# KiCad board JL-rev1.kicad_pcb (continued)
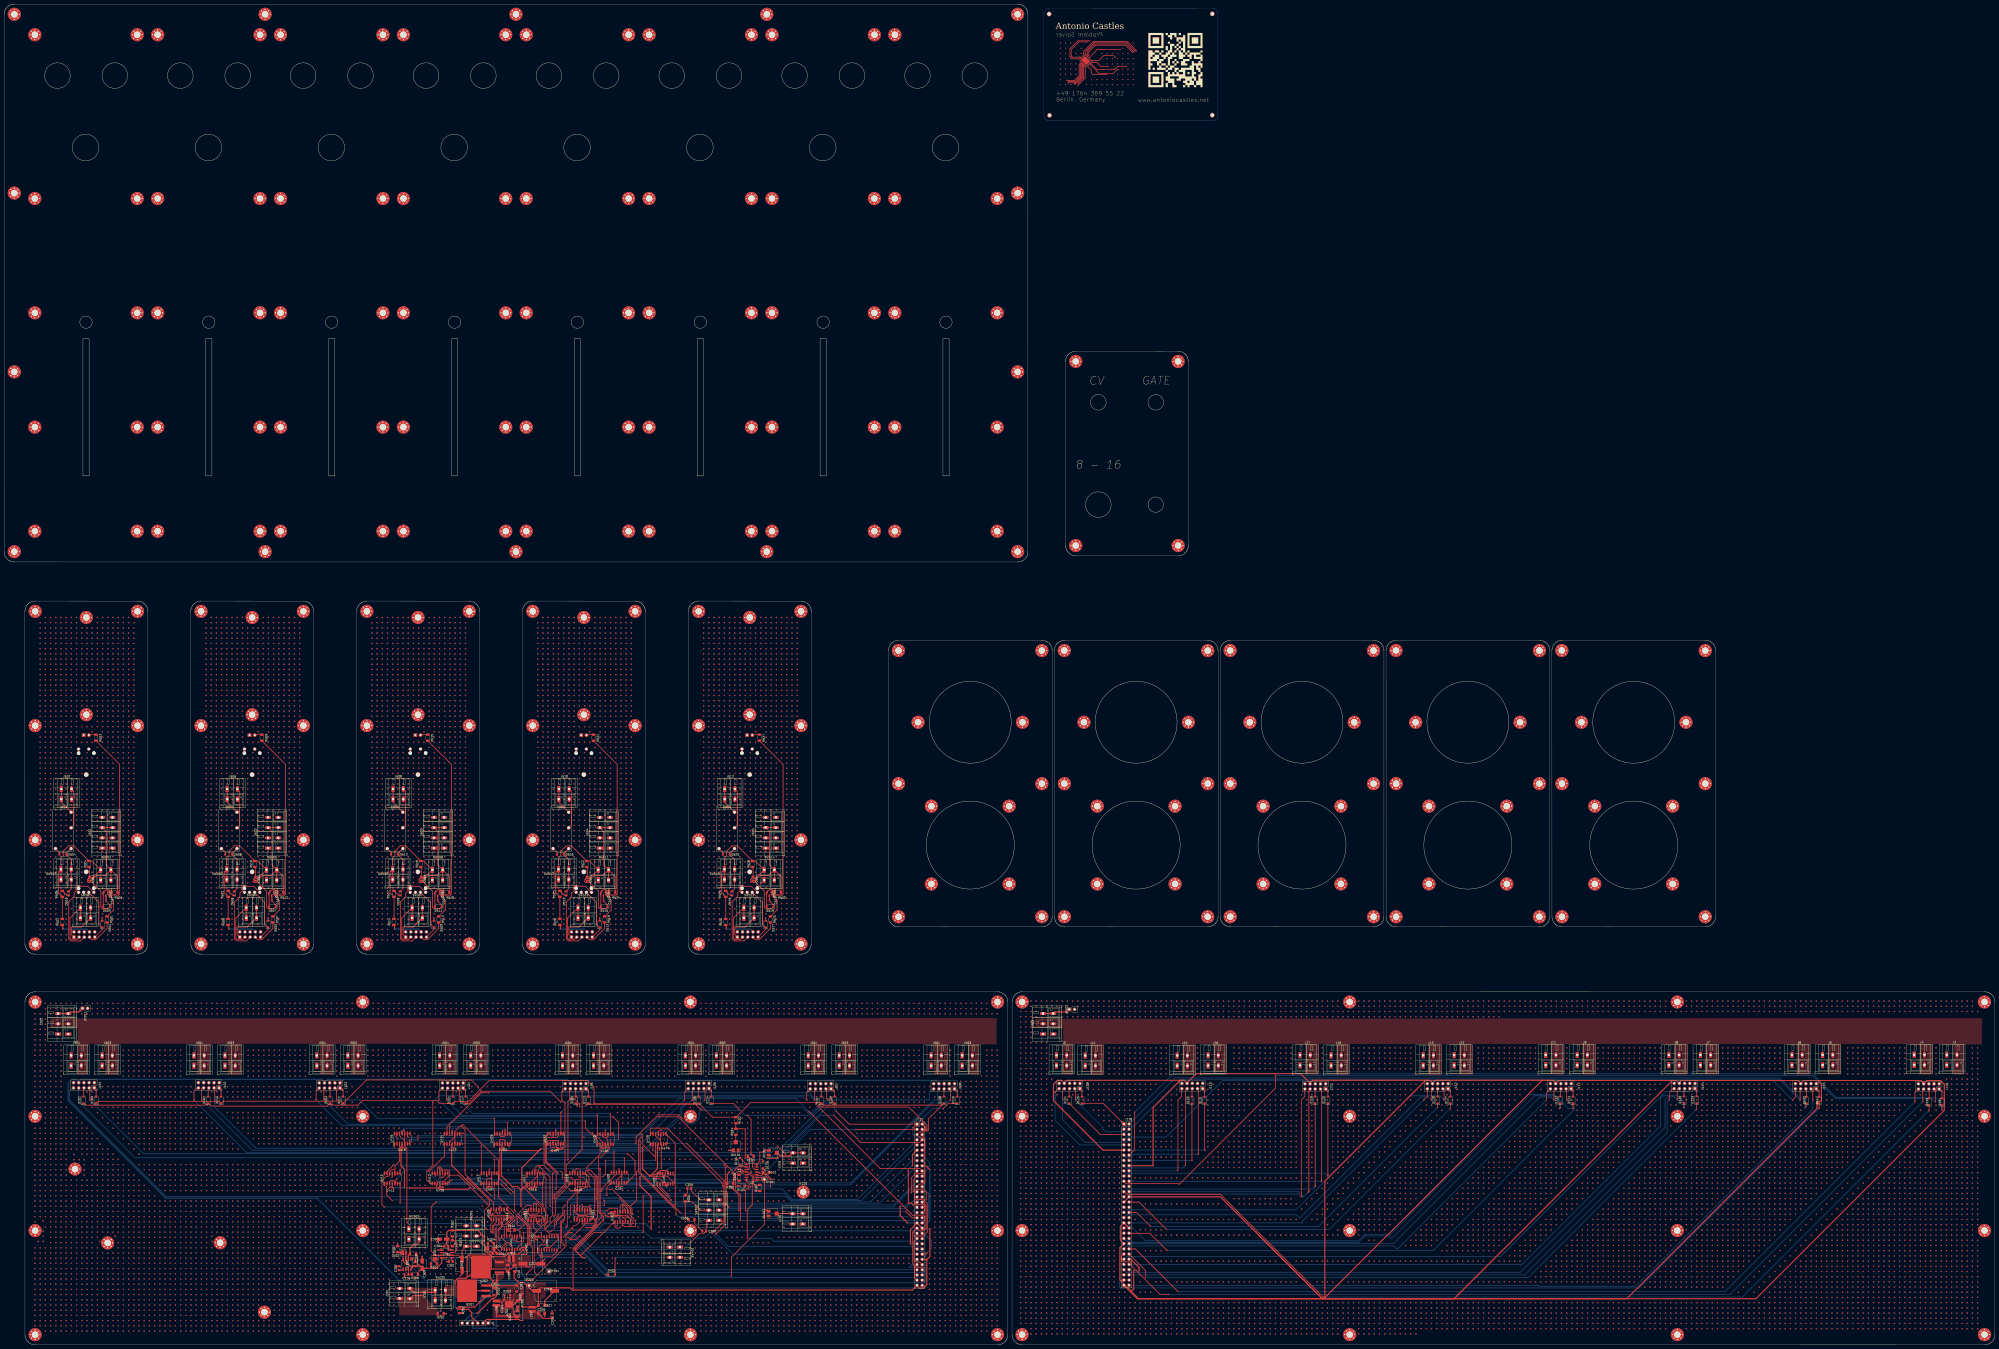
[diagram p0: board, top side]
## Routing (per net, layer and track width the routed paths; a pad name or vN(x,y) marks a point on that pad's centre or on a via; arc(x,y) is an arc through that point) (continued)
v2(251.31,9.34) v2(251.31,6.8) v2(253.85,166.82) v2(253.85,164.28) v2(253.85,161.74) v2(253.85,143.96) v2(253.85,141.42) v2(253.85,138.88) v2(253.85,136.34) v2(253.85,133.8) v2(253.85,131.26) v2(253.85,126.18) v2(253.85,118.56) v2(253.85,116.02) v2(253.85,108.4) v2(253.85,9.34) v2(253.85,6.8) v2(256.39,166.82) v2(256.39,164.28) v2(256.39,161.74) v2(256.39,143.96) v2(256.39,141.42) v2(256.39,138.88) v2(256.39,136.34) v2(256.39,133.8) v2(256.39,131.26) v2(256.39,126.18) v2(256.39,118.56) v2(256.39,116.02) v2(256.39,108.4) v2(256.39,9.34) v2(256.39,6.8) v2(258.93,166.82) v2(258.93,164.28) v2(258.93,161.74) v2(258.93,143.96) v2(258.93,141.42) v2(258.93,138.88) v2(258.93,136.34) v2(258.93,133.8) v2(258.93,131.26) v2(258.93,126.18) v2(258.93,118.56) v2(258.93,116.02) v2(258.93,108.4) v2(258.93,9.34) v2(258.93,6.8) v2(261.47,166.82) v2(261.47,164.28) v2(261.47,161.74) v2(261.47,143.96) v2(261.47,141.42) v2(261.47,138.88) v2(261.47,136.34) v2(261.47,133.8) v2(261.47,131.26) v2(261.47,126.18) v2(261.47,118.56) v2(261.47,116.02) v2(261.47,108.4) v2(261.47,9.34) v2(261.47,6.8) v2(264.01,166.82) v2(264.01,164.28) v2(264.01,161.74) v2(264.01,143.96) v2(264.01,141.42) v2(264.01,138.88) v2(264.01,136.34) v2(264.01,133.8) v2(264.01,131.26) v2(264.01,126.18) v2(264.01,118.56) v2(264.01,116.02) v2(264.01,108.4) v2(264.01,34.74) v2(264.01,9.34) v2(264.01,6.8) v2(266.55,166.82) v2(266.55,164.28) v2(266.55,161.74) v2(266.55,143.96) v2(266.55,141.42) v2(266.55,138.88) v2(266.55,136.34) v2(266.55,133.8) v2(266.55,131.26) v2(266.55,126.18) v2(266.55,118.56) v2(266.55,116.02) v2(266.55,108.4) v2(266.55,9.34) v2(266.55,6.8) v2(269.09,166.82) v2(269.09,164.28) v2(269.09,161.74) v2(269.09,126.18) v2(269.09,118.56) v2(269.09,116.02) v2(269.09,108.4) v2(269.09,39.82) v2(269.09,37.28) v2(269.09,34.74) v2(269.09,22.04) v2(269.09,19.5) v2(269.09,16.96) v2(269.09,11.88) v2(269.09,9.34) v2(269.09,6.8) v2(271.63,166.82) v2(271.63,164.28) v2(271.63,161.74) v2(271.63,126.18) v2(271.63,116.02) v2(271.63,39.82) v2(271.63,37.28) v2(271.63,34.74) v2(271.63,24.58) v2(271.63,22.04) v2(271.63,19.5) v2(271.63,16.96) v2(271.63,14.42) v2(271.63,11.88) v2(271.63,9.34) v2(271.63,6.8) v2(274.17,166.82) v2(274.17,164.28) v2(274.17,161.74) v2(274.17,39.82) v2(274.17,37.28) v2(274.17,34.74) v2(274.17,24.58) v2(274.17,22.04) v2(274.17,19.5) v2(274.17,16.96) v2(274.17,14.42) v2(274.17,11.88) v2(274.17,9.34) v2(274.17,6.8) v2(276.71,166.82) v2(276.71,164.28) v2(276.71,161.74) v2(276.71,116.02) v2(276.71,60.14) v2(276.71,47.44) v2(276.71,39.82) v2(276.71,37.28) v2(276.71,34.74) v2(276.71,24.58) v2(276.71,22.04) v2(276.71,19.5) v2(276.71,16.96) v2(276.71,14.42) v2(276.71,11.88) v2(276.71,9.34) v2(276.71,6.8) v2(279.25,166.82) v2(279.25,164.28) v2(279.25,161.74) v2(279.25,108.4) v2(279.25,39.82) v2(279.25,37.28) v2(279.25,34.74) v2(279.25,24.58) v2(279.25,22.04) v2(279.25,19.5) v2(279.25,16.96) v2(279.25,14.42) v2(279.25,11.88) v2(279.25,9.34) v2(279.25,6.8) v2(281.79,166.82) v2(281.79,164.28) v2(281.79,161.74) v2(281.79,143.96) v2(281.79,141.42) v2(281.79,138.88) v2(281.79,136.34) v2(281.79,133.8) v2(281.79,131.26) v2(281.79,39.82) v2(281.79,37.28) v2(281.79,34.74) v2(281.79,24.58) v2(281.79,22.04) v2(281.79,19.5) v2(281.79,16.96) v2(281.79,14.42) v2(281.79,11.88) v2(281.79,9.34) v2(281.79,6.8) v2(284.33,166.82) v2(284.33,164.28) v2(284.33,161.74) v2(284.33,39.82) v2(284.33,37.28) v2(284.33,34.74) v2(284.33,24.58) v2(284.33,22.04) v2(284.33,19.5) v2(284.33,16.96) v2(284.33,14.42) v2(284.33,11.88) v2(284.33,9.34) v2(284.33,6.8) v2(286.87,166.82) v2(286.87,164.28) v2(286.87,161.74) v2(286.87,116.02) v2(286.87,108.4) v2(286.87,37.28) v2(286.87,34.74) v2(286.87,24.58) v2(286.87,22.04) v2(286.87,19.5) v2(286.87,16.96) v2(286.87,14.42) v2(286.87,11.88) v2(286.87,9.34) v2(286.87,6.8) v2(289.41,166.82) v2(289.41,164.28) v2(289.41,161.74) v2(289.41,126.18) v2(289.41,116.02) v2(289.41,44.9) v2(289.41,34.74) v2(289.41,24.58) v2(289.41,22.04) v2(289.41,19.5) v2(289.41,16.96) v2(289.41,14.42) v2(289.41,11.88) v2(289.41,9.34) v2(289.41,6.8) v2(291.95,166.82) v2(291.95,164.28) v2(291.95,161.74) v2(291.95,126.18) v2(291.95,116.02) v2(291.95,108.4) v2(291.95,49.98) v2(291.95,44.9) v2(291.95,42.36) v2(291.95,24.58) v2(291.95,22.04) v2(291.95,19.5) v2(291.95,16.96) v2(291.95,14.42) v2(291.95,11.88) v2(291.95,9.34) v2(291.95,6.8) v2(294.49,166.82) v2(294.49,164.28) v2(294.49,161.74) v2(294.49,126.18) v2(294.49,116.02) v2(294.49,108.4) v2(294.49,52.52) v2(294.49,49.98) v2(294.49,44.9) v2(294.49,42.36) v2(294.49,39.82) v2(294.49,24.58) v2(294.49,22.04) v2(294.49,19.5) v2(294.49,16.96) v2(294.49,14.42) v2(294.49,11.88) v2(294.49,9.34) v2(294.49,6.8) v2(297.03,166.82) v2(297.03,164.28) v2(297.03,161.74) v2(297.03,143.96) v2(297.03,141.42) v2(297.03,138.88) v2(297.03,136.34) v2(297.03,133.8) v2(297.03,131.26) v2(297.03,126.18) v2(297.03,116.02) v2(297.03,52.52) v2(297.03,49.98) v2(297.03,44.9) v2(297.03,42.36) v2(297.03,39.82) v2(297.03,24.58) v2(297.03,22.04) v2(297.03,19.5) v2(297.03,16.96) v2(297.03,14.42) v2(297.03,11.88) v2(297.03,9.34) v2(297.03,6.8) v2(299.57,166.82) v2(299.57,164.28) v2(299.57,161.74) v2(299.57,143.96) v2(299.57,141.42) v2(299.57,138.88) v2(299.57,136.34) v2(299.57,133.8) v2(299.57,131.26) v2(299.57,126.18) v2(299.57,116.02) v2(299.57,113.48) v2(299.57,52.52) v2(299.57,49.98) v2(299.57,44.9) v2(299.57,39.82) v2(299.57,24.58) v2(299.57,22.04) v2(299.57,19.5) v2(299.57,16.96) v2(299.57,14.42) v2(299.57,11.88) v2(299.57,9.34) v2(299.57,6.8) v2(302.11,166.82) v2(302.11,164.28) v2(302.11,161.74) v2(302.11,143.96) v2(302.11,141.42) v2(302.11,138.88) v2(302.11,136.34) v2(302.11,133.8) v2(302.11,131.26) v2(302.11,126.18) v2(302.11,116.02) v2(302.11,113.48) v2(302.11,110.94) v2(302.11,108.4) v2(302.11,75.38) v2(302.11,52.52) v2(302.11,49.98) v2(302.11,44.9) v2(302.11,39.82) v2(302.11,24.58) v2(302.11,22.04) v2(302.11,19.5) v2(302.11,16.96) v2(302.11,14.42) v2(302.11,11.88) v2(302.11,9.34) v2(302.11,6.8) v2(304.65,166.82) v2(304.65,164.28) v2(304.65,161.74) v2(304.65,143.96) v2(304.65,141.42) v2(304.65,138.88) v2(304.65,136.34) v2(304.65,133.8) v2(304.65,131.26) v2(304.65,126.18) v2(304.65,116.02) v2(304.65,113.48) v2(304.65,110.94) v2(304.65,108.4) v2(304.65,75.38) v2(304.65,52.52) v2(304.65,49.98) v2(304.65,44.9) v2(304.65,39.82) v2(304.65,24.58) v2(304.65,22.04) v2(304.65,19.5) v2(304.65,16.96) v2(304.65,14.42) v2(304.65,11.88) v2(304.65,9.34) v2(304.65,6.8) v2(307.19,166.82) v2(307.19,164.28) v2(307.19,161.74) v2(307.19,143.96) v2(307.19,141.42) v2(307.19,138.88) v2(307.19,136.34) v2(307.19,133.8) v2(307.19,131.26) v2(307.19,126.18) v2(307.19,116.02) v2(307.19,113.48) v2(307.19,110.94) v2(307.19,108.4) v2(307.19,93.16) v2(307.19,75.38) v2(307.19,52.52) v2(307.19,49.98) v2(307.19,44.9) v2(307.19,39.82) v2(307.19,24.58) v2(307.19,22.04) v2(307.19,19.5) v2(307.19,16.96) v2(307.19,14.42) v2(307.19,11.88) v2(307.19,9.34) v2(307.19,6.8) v2(309.73,166.82) v2(309.73,164.28) v2(309.73,161.74) v2(309.73,143.96) v2(309.73,141.42) v2(309.73,138.88) v2(309.73,136.34) v2(309.73,133.8) v2(309.73,131.26) v2(309.73,126.18) v2(309.73,116.02) v2(309.73,113.48) v2(309.73,110.94) v2(309.73,108.4) v2(309.73,65.22) v2(309.73,62.68) v2(309.73,57.6) v2(309.73,52.52) v2(309.73,49.98) v2(309.73,44.9) v2(309.73,39.82) v2(309.73,24.58) v2(309.73,22.04) v2(309.73,19.5) v2(309.73,16.96) v2(309.73,14.42) v2(309.73,11.88) v2(309.73,9.34) v2(309.73,6.8) v2(312.27,166.82) v2(312.27,164.28) v2(312.27,161.74) v2(312.27,143.96) v2(312.27,141.42) v2(312.27,138.88) v2(312.27,136.34) v2(312.27,133.8) v2(312.27,131.26) v2(312.27,126.18) v2(312.27,116.02) v2(312.27,113.48) v2(312.27,110.94) v2(312.27,108.4) v2(312.27,52.52) v2(312.27,49.98) v2(312.27,44.9) v2(312.27,39.82) v2(312.27,24.58) v2(312.27,22.04) v2(312.27,19.5) v2(312.27,16.96) v2(312.27,14.42) v2(312.27,11.88) v2(312.27,9.34) v2(312.27,6.8) v2(314.81,166.82) v2(314.81,164.28) v2(314.81,161.74) v2(314.81,143.96) v2(314.81,141.42) v2(314.81,138.88) v2(314.81,136.34) v2(314.81,133.8) v2(314.81,131.26) v2(314.81,126.18) v2(314.81,116.02) v2(314.81,113.48) v2(314.81,110.94) v2(314.81,65.22) v2(314.81,62.68) v2(314.81,60.14) v2(314.81,49.98) v2(314.81,44.9) v2(314.81,39.82) v2(314.81,24.58) v2(314.81,22.04) v2(314.81,19.5) v2(314.81,16.96) v2(314.81,14.42) v2(314.81,11.88) v2(314.81,9.34) v2(314.81,6.8) v2(317.35,166.82) v2(317.35,164.28) v2(317.35,161.74) v2(317.35,143.96) v2(317.35,141.42) v2(317.35,138.88) v2(317.35,136.34) v2(317.35,133.8) v2(317.35,131.26) v2(317.35,126.18) v2(317.35,116.02) v2(317.35,113.48) v2(317.35,65.22) v2(317.35,62.68) v2(317.35,60.14) v2(317.35,49.98) v2(317.35,44.9) v2(317.35,39.82) v2(317.35,24.58) v2(317.35,22.04) v2(317.35,19.5) v2(317.35,16.96) v2(317.35,14.42) v2(317.35,11.88) v2(317.35,9.34) v2(317.35,6.8) v2(319.89,166.82) v2(319.89,164.28) v2(319.89,161.74) v2(319.89,143.96) v2(319.89,141.42) v2(319.89,138.88) v2(319.89,136.34) v2(319.89,133.8) v2(319.89,131.26) v2(319.89,126.18) v2(319.89,116.02) v2(319.89,113.48) v2(319.89,65.22) v2(319.89,62.68) v2(319.89,60.14) v2(319.89,57.6) v2(319.89,55.06) v2(319.89,49.98) v2(319.89,44.9) v2(319.89,39.82) v2(319.89,24.58) v2(319.89,22.04) v2(319.89,19.5) v2(319.89,16.96) v2(319.89,14.42) v2(319.89,11.88) v2(319.89,9.34) v2(319.89,6.8) v2(322.43,166.82) v2(322.43,164.28) v2(322.43,161.74) v2(322.43,143.96) v2(322.43,141.42) v2(322.43,138.88) v2(322.43,136.34) v2(322.43,133.8) v2(322.43,131.26) v2(322.43,126.18) v2(322.43,116.02) v2(322.43,100.78) v2(322.43,95.7) v2(322.43,90.62) v2(322.43,65.22) v2(322.43,62.68) v2(322.43,60.14) v2(322.43,57.6) v2(322.43,55.06) v2(322.43,49.98) v2(322.43,44.9) v2(322.43,39.82) v2(322.43,24.58) v2(322.43,22.04) v2(322.43,19.5) v2(322.43,16.96) v2(322.43,14.42) v2(322.43,11.88) v2(322.43,9.34) v2(322.43,6.8) v2(324.97,166.82) v2(324.97,164.28) v2(324.97,161.74) v2(324.97,143.96) v2(324.97,141.42) v2(324.97,138.88) v2(324.97,136.34) v2(324.97,133.8) v2(324.97,131.26) v2(324.97,126.18) v2(324.97,95.7) v2(324.97,90.62) v2(324.97,75.38) v2(324.97,65.22) v2(324.97,62.68) v2(324.97,60.14) v2(324.97,57.6) v2(324.97,55.06) v2(324.97,49.98) v2(324.97,44.9) v2(324.97,39.82) v2(324.97,24.58) v2(324.97,22.04) v2(324.97,19.5) v2(324.97,16.96) v2(324.97,14.42) v2(324.97,11.88) v2(324.97,9.34) v2(324.97,6.8) v2(327.51,166.82) v2(327.51,164.28) v2(327.51,161.74) v2(327.51,143.96) v2(327.51,141.42) v2(327.51,138.88) v2(327.51,136.34) v2(327.51,133.8) v2(327.51,131.26) v2(327.51,126.18) v2(327.51,105.86) v2(327.51,60.14) v2(327.51,57.6) v2(327.51,55.06) v2(327.51,49.98) v2(327.51,44.9) v2(327.51,39.82) v2(327.51,24.58) v2(327.51,22.04) v2(327.51,19.5) v2(327.51,16.96) v2(327.51,14.42) v2(327.51,11.88) v2(327.51,9.34) v2(327.51,6.8) v2(330.05,166.82) v2(330.05,164.28) v2(330.05,161.74) v2(330.05,126.18) v2(330.05,108.4) v2(330.05,105.86) v2(330.05,103.32) v2(330.05,95.7) v2(330.05,90.62) v2(330.05,75.38) v2(330.05,60.14) v2(330.05,57.6) v2(330.05,55.06) v2(330.05,49.98) v2(330.05,44.9) v2(330.05,39.82) v2(330.05,24.58) v2(330.05,22.04) v2(330.05,19.5) v2(330.05,16.96) v2(330.05,14.42) v2(330.05,11.88) v2(330.05,9.34) v2(330.05,6.8) v2(332.59,161.74) v2(332.59,105.86) v2(332.59,103.32) v2(332.59,100.78) v2(332.59,90.62) v2(332.59,60.14) v2(332.59,49.98) v2(332.59,44.9) v2(332.59,42.36) v2(332.59,39.82) v2(332.59,24.58) v2(332.59,22.04) v2(332.59,19.5) v2(332.59,16.96) v2(332.59,14.42) v2(332.59,11.88) v2(332.59,9.34) v2(335.13,161.74) v2(335.13,116.02) v2(335.13,103.32) v2(335.13,100.78) v2(335.13,90.62) v2(335.13,65.22) v2(335.13,47.44) v2(335.13,44.9) v2(335.13,42.36) v2(335.13,39.82) v2(335.13,24.58) v2(335.13,22.04) v2(335.13,19.5) v2(335.13,16.96) v2(335.13,14.42) v2(335.13,11.88) v2(335.13,9.34) v2(337.67,161.74) v2(337.67,105.86) v2(337.67,100.78) v2(337.67,98.24) v2(337.67,75.38) v2(337.67,65.22) v2(337.67,49.98) v2(337.67,47.44) v2(337.67,44.9) v2(337.67,42.36) v2(337.67,39.82) v2(337.67,24.58) v2(337.67,22.04) v2(337.67,19.5) v2(337.67,16.96) v2(337.67,14.42) v2(337.67,11.88) v2(337.67,9.34) v2(340.21,166.82) v2(340.21,164.28) v2(340.21,161.74) v2(340.21,108.4) v2(340.21,105.86) v2(340.21,103.32) v2(340.21,98.24) v2(340.21,95.7) v2(340.21,75.38) v2(340.21,60.14) v2(340.21,49.98) v2(340.21,47.44) v2(340.21,44.9) v2(340.21,42.36) v2(340.21,39.82) v2(340.21,24.58) v2(340.21,22.04) v2(340.21,19.5) v2(340.21,16.96) v2(340.21,14.42) v2(340.21,11.88) v2(340.21,9.34) v2(340.21,6.8) v2(342.75,166.82) v2(342.75,164.28) v2(342.75,161.74) v2(342.75,143.96) v2(342.75,141.42) v2(342.75,138.88) v2(342.75,136.34) v2(342.75,133.8) v2(342.75,131.26) v2(342.75,110.94) v2(342.75,108.4) v2(342.75,105.86) v2(342.75,103.32) v2(342.75,100.78) v2(342.75,95.7) v2(342.75,75.38) v2(342.75,49.98) v2(342.75,47.44) v2(342.75,44.9) v2(342.75,42.36) v2(342.75,39.82) v2(342.75,24.58) v2(342.75,22.04) v2(342.75,19.5) v2(342.75,16.96) v2(342.75,14.42) v2(342.75,11.88) v2(342.75,9.34) v2(342.75,6.8) v2(345.29,166.82) v2(345.29,164.28) v2(345.29,161.74) v2(345.29,108.4) v2(345.29,105.86) v2(345.29,103.32) v2(345.29,100.78) v2(345.29,98.24) v2(345.29,90.62) v2(345.29,75.38) v2(345.29,57.6) v2(345.29,52.52) v2(345.29,49.98) v2(345.29,47.44) v2(345.29,44.9) v2(345.29,42.36) v2(345.29,39.82) v2(345.29,24.58) v2(345.29,22.04) v2(345.29,19.5) v2(345.29,16.96) v2(345.29,14.42) v2(345.29,11.88) v2(345.29,9.34) v2(345.29,6.8) v2(347.83,166.82) v2(347.83,164.28) v2(347.83,161.74) v2(347.83,126.18) v2(347.83,113.48) v2(347.83,108.4) v2(347.83,105.86) v2(347.83,103.32) v2(347.83,100.78) v2(347.83,98.24) v2(347.83,95.7) v2(347.83,90.62) v2(347.83,75.38) v2(347.83,49.98) v2(347.83,47.44) v2(347.83,44.9) v2(347.83,42.36) v2(347.83,39.82) v2(347.83,24.58) v2(347.83,22.04) v2(347.83,19.5) v2(347.83,16.96) v2(347.83,14.42) v2(347.83,11.88) v2(347.83,9.34) v2(347.83,6.8) v2(350.37,166.82) v2(350.37,164.28) v2(350.37,161.74) v2(350.37,126.18) v2(350.37,113.48) v2(350.37,108.4) v2(350.37,105.86) v2(350.37,103.32) v2(350.37,100.78) v2(350.37,98.24) v2(350.37,95.7) v2(350.37,75.38) v2(350.37,47.44) v2(350.37,44.9) v2(350.37,42.36) v2(350.37,39.82) v2(350.37,24.58) v2(350.37,22.04) v2(350.37,19.5) v2(350.37,16.96) v2(350.37,14.42) v2(350.37,11.88) v2(350.37,9.34) v2(350.37,6.8) v2(352.91,166.82) v2(352.91,164.28) v2(352.91,161.74) v2(352.91,126.18) v2(352.91,113.48) v2(352.91,108.4) v2(352.91,105.86) v2(352.91,103.32) v2(352.91,100.78) v2(352.91,98.24) v2(352.91,90.62) v2(352.91,52.52) v2(352.91,44.9) v2(352.91,42.36) v2(352.91,39.82) v2(352.91,24.58) v2(352.91,22.04) v2(352.91,19.5) v2(352.91,16.96) v2(352.91,14.42) v2(352.91,11.88) v2(352.91,9.34) v2(352.91,6.8) v2(355.45,166.82) v2(355.45,164.28) v2(355.45,161.74) v2(355.45,126.18) v2(355.45,113.48) v2(355.45,108.4) v2(355.45,105.86) v2(355.45,103.32) v2(355.45,100.78) v2(355.45,98.24) v2(355.45,90.62) v2(355.45,70.3) v2(355.45,60.14) v2(355.45,57.6) v2(355.45,52.52) v2(355.45,49.98) v2(355.45,24.58) v2(355.45,22.04) v2(355.45,19.5) v2(355.45,16.96) v2(355.45,14.42) v2(355.45,11.88) v2(355.45,9.34) v2(355.45,6.8) v2(357.99,166.82) v2(357.99,164.28) v2(357.99,161.74) v2(357.99,143.96) v2(357.99,141.42) v2(357.99,138.88) v2(357.99,136.34) v2(357.99,133.8) v2(357.99,131.26) v2(357.99,126.18) v2(357.99,118.56) v2(357.99,90.62) v2(357.99,57.6) v2(357.99,52.52) v2(357.99,49.98) v2(357.99,42.36) v2(357.99,39.82) v2(357.99,24.58) v2(357.99,22.04) v2(357.99,19.5) v2(357.99,16.96) v2(357.99,14.42) v2(357.99,11.88) v2(357.99,9.34) v2(357.99,6.8) v2(360.53,166.82) v2(360.53,164.28) v2(360.53,161.74) v2(360.53,143.96) v2(360.53,141.42) v2(360.53,138.88) v2(360.53,136.34) v2(360.53,133.8) v2(360.53,131.26) v2(360.53,126.18) v2(360.53,118.56) v2(360.53,110.94) v2(360.53,108.4) v2(360.53,103.32) v2(360.53,100.78) v2(360.53,98.24) v2(360.53,95.7) v2(360.53,75.38) v2(360.53,57.6) v2(360.53,52.52) v2(360.53,42.36) v2(360.53,39.82) v2(360.53,24.58) v2(360.53,22.04) v2(360.53,19.5) v2(360.53,16.96) v2(360.53,14.42) v2(360.53,11.88) v2(360.53,9.34) v2(360.53,6.8) v2(363.07,166.82) v2(363.07,164.28) v2(363.07,161.74) v2(363.07,143.96) v2(363.07,141.42) v2(363.07,138.88) v2(363.07,136.34) v2(363.07,133.8) v2(363.07,131.26) v2(363.07,126.18) v2(363.07,108.4) v2(363.07,105.86) v2(363.07,103.32) v2(363.07,100.78) v2(363.07,98.24) v2(363.07,95.7) v2(363.07,42.36) v2(363.07,39.82) v2(363.07,24.58) v2(363.07,22.04) v2(363.07,19.5) v2(363.07,16.96) v2(363.07,14.42) v2(363.07,11.88) v2(363.07,9.34) v2(363.07,6.8) v2(365.61,166.82) v2(365.61,164.28) v2(365.61,161.74) v2(365.61,143.96) v2(365.61,141.42) v2(365.61,138.88) v2(365.61,136.34) v2(365.61,133.8) v2(365.61,131.26) v2(365.61,126.18) v2(365.61,113.48) v2(365.61,57.6) v2(365.61,49.98) v2(365.61,42.36) v2(365.61,39.82) v2(365.61,24.58) v2(365.61,22.04) v2(365.61,19.5) v2(365.61,16.96) v2(365.61,14.42) v2(365.61,11.88) v2(365.61,9.34) v2(365.61,6.8) v2(368.15,166.82) v2(368.15,164.28) v2(368.15,161.74) v2(368.15,143.96) v2(368.15,141.42) v2(368.15,138.88) v2(368.15,136.34) v2(368.15,133.8) v2(368.15,131.26) v2(368.15,126.18) v2(368.15,113.48) v2(368.15,110.94) v2(368.15,108.4) v2(368.15,105.86) v2(368.15,103.32) v2(368.15,100.78) v2(368.15,98.24) v2(368.15,95.7) v2(368.15,70.3) v2(368.15,49.98) v2(368.15,42.36) v2(368.15,39.82) v2(368.15,24.58) v2(368.15,22.04) v2(368.15,19.5) v2(368.15,16.96) v2(368.15,14.42) v2(368.15,11.88) v2(368.15,9.34) v2(368.15,6.8) v2(370.69,166.82) v2(370.69,164.28) v2(370.69,161.74) v2(370.69,143.96) v2(370.69,141.42) v2(370.69,138.88) v2(370.69,136.34) v2(370.69,133.8) v2(370.69,131.26) v2(370.69,126.18) v2(370.69,113.48) v2(370.69,110.94) v2(370.69,108.4) v2(370.69,105.86) v2(370.69,103.32) v2(370.69,100.78) v2(370.69,98.24) v2(370.69,49.98) v2(370.69,42.36) v2(370.69,39.82) v2(370.69,24.58) v2(370.69,22.04) v2(370.69,19.5) v2(370.69,16.96) v2(370.69,14.42) v2(370.69,11.88) v2(370.69,9.34) v2(370.69,6.8) v2(373.23,166.82) v2(373.23,164.28) v2(373.23,161.74) v2(373.23,143.96) v2(373.23,141.42) v2(373.23,138.88) v2(373.23,136.34) v2(373.23,133.8) v2(373.23,131.26) v2(373.23,126.18) v2(373.23,113.48) v2(373.23,110.94) v2(373.23,108.4) v2(373.23,105.86) v2(373.23,103.32) v2(373.23,100.78) v2(373.23,98.24) v2(373.23,70.3) v2(373.23,57.6) v2(373.23,49.98) v2(373.23,42.36) v2(373.23,39.82) v2(373.23,24.58) v2(373.23,22.04) v2(373.23,19.5) v2(373.23,16.96) v2(373.23,14.42) v2(373.23,11.88) v2(373.23,9.34) v2(373.23,6.8) v2(375.77,166.82) v2(375.77,164.28) v2(375.77,161.74) v2(375.77,143.96) v2(375.77,141.42) v2(375.77,138.88) v2(375.77,136.34) v2(375.77,133.8) v2(375.77,131.26) v2(375.77,126.18) v2(375.77,113.48) v2(375.77,110.94) v2(375.77,108.4) v2(375.77,105.86) v2(375.77,103.32) v2(375.77,100.78) v2(375.77,98.24) v2(375.77,70.3) v2(375.77,57.6) v2(375.77,42.36) v2(375.77,39.82) v2(375.77,24.58) v2(375.77,22.04) v2(375.77,19.5) v2(375.77,16.96) v2(375.77,14.42) v2(375.77,11.88) v2(375.77,9.34) v2(375.77,6.8) v2(378.31,166.82) v2(378.31,164.28) v2(378.31,161.74) v2(378.31,143.96) v2(378.31,141.42) v2(378.31,138.88) v2(378.31,136.34) v2(378.31,133.8) v2(378.31,131.26) v2(378.31,126.18) v2(378.31,113.48) v2(378.31,110.94) v2(378.31,108.4) v2(378.31,105.86) v2(378.31,103.32) v2(378.31,100.78) v2(378.31,88.08) v2(378.31,85.54) v2(378.31,83) v2(378.31,80.46) v2(378.31,70.3) v2(378.31,57.6) v2(378.31,52.52) v2(378.31,42.36) v2(378.31,39.82) v2(378.31,24.58) v2(378.31,22.04) v2(378.31,19.5) v2(378.31,16.96) v2(378.31,14.42) v2(378.31,11.88) v2(378.31,9.34) v2(378.31,6.8) v2(380.85,166.82) v2(380.85,164.28) v2(380.85,161.74) v2(380.85,143.96) v2(380.85,141.42) v2(380.85,138.88) v2(380.85,136.34) v2(380.85,133.8) v2(380.85,131.26) v2(380.85,126.18) v2(380.85,113.48) v2(380.85,110.94) v2(380.85,108.4) v2(380.85,105.86) v2(380.85,103.32) v2(380.85,100.78) v2(380.85,90.62) v2(380.85,88.08) v2(380.85,85.54) v2(380.85,83) v2(380.85,80.46) v2(380.85,70.3) v2(380.85,65.22) v2(380.85,57.6) v2(380.85,52.52) v2(380.85,42.36) v2(380.85,39.82) v2(380.85,24.58) v2(380.85,22.04) v2(380.85,19.5) v2(380.85,16.96) v2(380.85,14.42) v2(380.85,11.88) v2(380.85,9.34) v2(380.85,6.8) v2(383.39,166.82) v2(383.39,164.28) v2(383.39,161.74) v2(383.39,143.96) 